# Altium PCB STB_LightBoard.PcbDoc (part 4 of 31)
Units mm, origin at the board's own origin, x right, y up, seen from the top; angles counter-clockwise.
Board outline 348 x 348 mm, 2 copper layers (Top Layer, Bottom Layer), stack 1.672 mm thick; 3807 components, 3391 nets, 11616 pads, 2553 vias.
Unrouted connection lines stored in the file: 68.
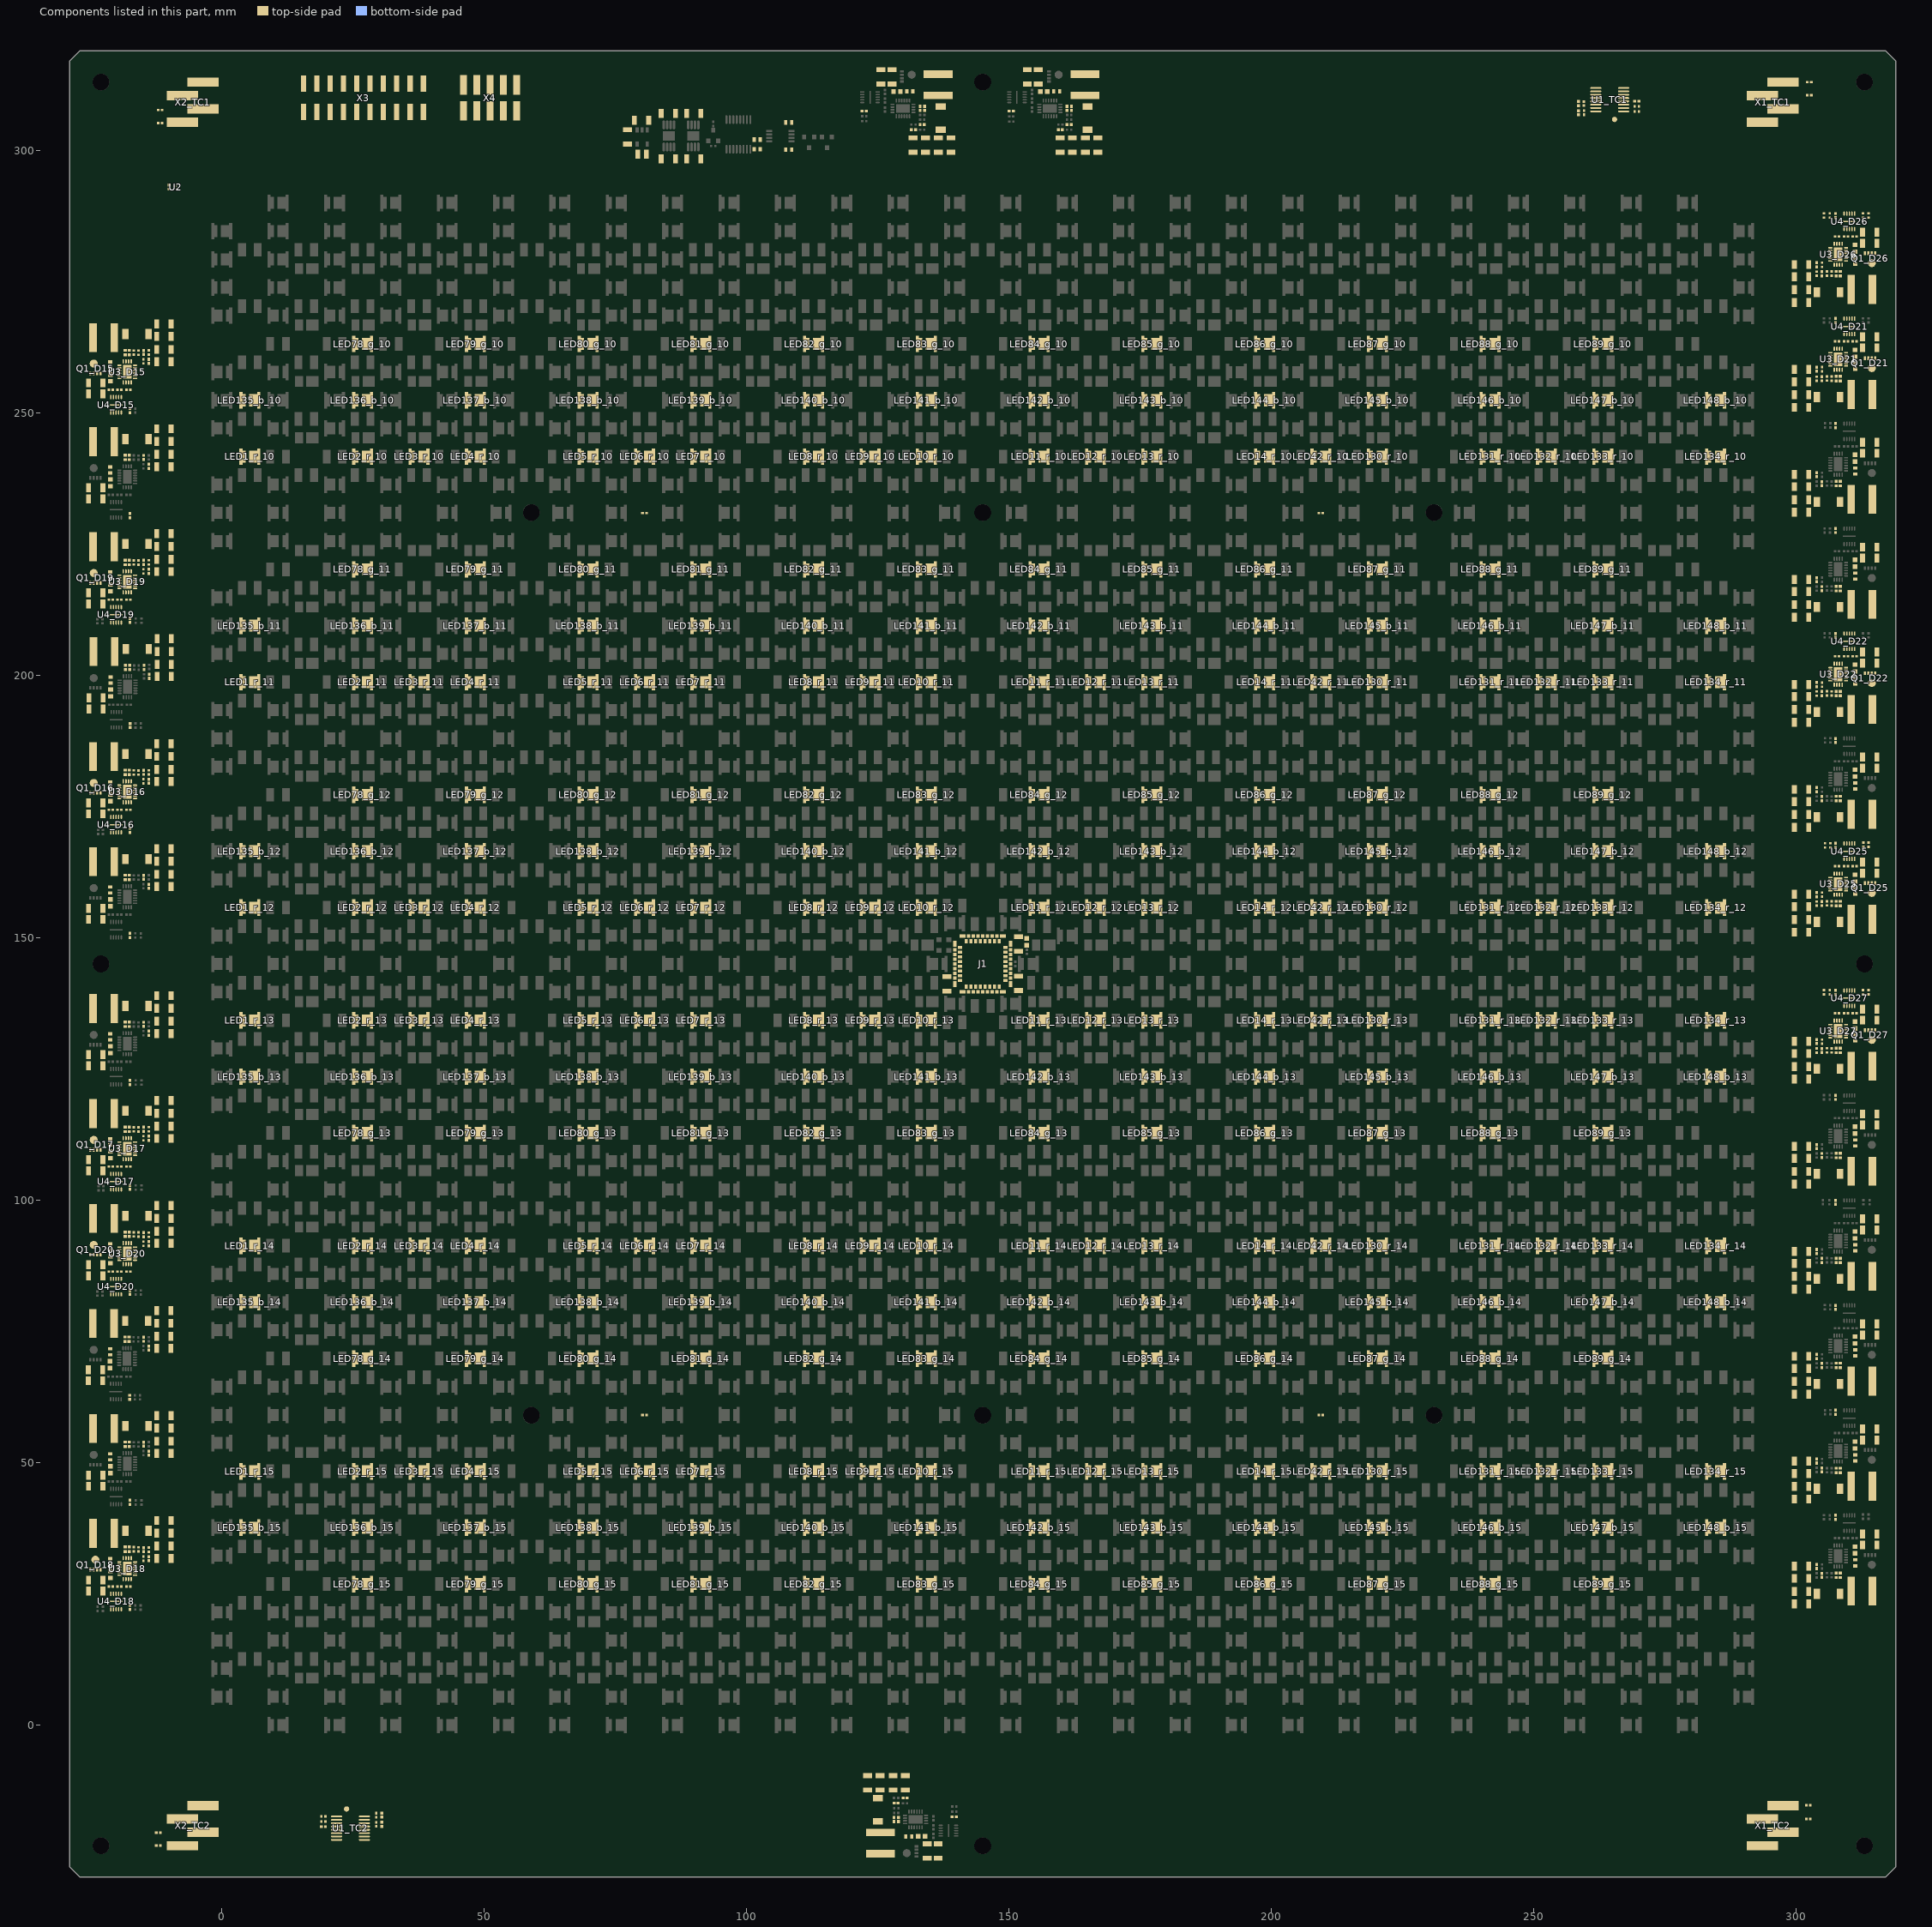
[diagram p4: the components of this part, seen from the top]

## Classes and differential pairs (continued)
component class D22: C5_D22 C6_D22 C7_D22 C8_D22 C9_D22 C10_D22 C11_D22 C12_D22 C13_D22 C14_D22 C15_D22 C16_D22 C17_D22 D1_D22 L1_D22 Q1_D22 R54_D22 R55_D22 R56_D22 R57_D22 R58_D22 R59_D22 R60_D22 U3_D22 U4_D22
component class D21: C5_D21 C6_D21 C7_D21 C8_D21 C9_D21 C10_D21 C11_D21 C12_D21 C13_D21 C14_D21 C15_D21 C16_D21 C17_D21 D1_D21 L1_D21 Q1_D21 R54_D21 R55_D21 R56_D21 R57_D21 R58_D21 R59_D21 R60_D21 U3_D21 U4_D21
component class D20: C5_D20 C6_D20 C7_D20 C8_D20 C9_D20 C10_D20 C11_D20 C12_D20 C13_D20 C14_D20 C15_D20 C16_D20 C17_D20 D1_D20 L1_D20 Q1_D20 R54_D20 R55_D20 R56_D20 R57_D20 R58_D20 R59_D20 R60_D20 U3_D20 U4_D20
component class D19: C5_D19 C6_D19 C7_D19 C8_D19 C9_D19 C10_D19 C11_D19 C12_D19 C13_D19 C14_D19 C15_D19 C16_D19 C17_D19 D1_D19 L1_D19 Q1_D19 R54_D19 R55_D19 R56_D19 R57_D19 R58_D19 R59_D19 R60_D19 U3_D19 U4_D19
component class D18: C5_D18 C6_D18 C7_D18 C8_D18 C9_D18 C10_D18 C11_D18 C12_D18 C13_D18 C14_D18 C15_D18 C16_D18 C17_D18 D1_D18 L1_D18 Q1_D18 R54_D18 R55_D18 R56_D18 R57_D18 R58_D18 R59_D18 R60_D18 U3_D18 U4_D18
component class D17: C5_D17 C6_D17 C7_D17 C8_D17 C9_D17 C10_D17 C11_D17 C12_D17 C13_D17 C14_D17 C15_D17 C16_D17 C17_D17 D1_D17 L1_D17 Q1_D17 R54_D17 R55_D17 R56_D17 R57_D17 R58_D17 R59_D17 R60_D17 U3_D17 U4_D17
component class D16: C5_D16 C6_D16 C7_D16 C8_D16 C9_D16 C10_D16 C11_D16 C12_D16 C13_D16 C14_D16 C15_D16 C16_D16 C17_D16 D1_D16 L1_D16 Q1_D16 R54_D16 R55_D16 R56_D16 R57_D16 R58_D16 R59_D16 R60_D16 U3_D16 U4_D16
component class D15: C5_D15 C6_D15 C7_D15 C8_D15 C9_D15 C10_D15 C11_D15 C12_D15 C13_D15 C14_D15 C15_D15 C16_D15 C17_D15 D1_D15 L1_D15 Q1_D15 R54_D15 R55_D15 R56_D15 R57_D15 R58_D15 R59_D15 R60_D15 U3_D15 U4_D15
channel class STB_Driver_ISL78171: D0 D1 D2 D3 D4 D5 D6 D7 D8 D9 D10 D11 D12 D13 D14 D15 D16 D17 D18 D19 D20 D21 D22 D23 D24 D25 D26 D27
channel class LED_String_NE2G757GT: g_10 g_11 g_12 g_13 g_14 g_15
channel class LED_String_NE2B757GT: b_10 b_11 b_12 b_13 b_14 b_15
component class LG: R85 R86 R87 R88
component class LB: R40 R41 R42 R43
component class g_15: LED78_g_15 LED79_g_15 LED80_g_15 LED81_g_15 LED82_g_15 LED83_g_15 LED84_g_15 LED85_g_15 LED86_g_15 LED87_g_15 LED88_g_15 LED89_g_15
component class g_14: LED78_g_14 LED79_g_14 LED80_g_14 LED81_g_14 LED82_g_14 LED83_g_14 LED84_g_14 LED85_g_14 LED86_g_14 LED87_g_14 LED88_g_14 LED89_g_14
component class g_13: LED78_g_13 LED79_g_13 LED80_g_13 LED81_g_13 LED82_g_13 LED83_g_13 LED84_g_13 LED85_g_13 LED86_g_13 LED87_g_13 LED88_g_13 LED89_g_13
component class g_12: LED78_g_12 LED79_g_12 LED80_g_12 LED81_g_12 LED82_g_12 LED83_g_12 LED84_g_12 LED85_g_12 LED86_g_12 LED87_g_12 LED88_g_12 LED89_g_12
component class g_11: LED78_g_11 LED79_g_11 LED80_g_11 LED81_g_11 LED82_g_11 LED83_g_11 LED84_g_11 LED85_g_11 LED86_g_11 LED87_g_11 LED88_g_11 LED89_g_11
component class g_10: LED78_g_10 LED79_g_10 LED80_g_10 LED81_g_10 LED82_g_10 LED83_g_10 LED84_g_10 LED85_g_10 LED86_g_10 LED87_g_10 LED88_g_10 LED89_g_10
component class D27: C5_D27 C6_D27 C7_D27 C8_D27 C9_D27 C10_D27 C11_D27 C12_D27 C13_D27 C14_D27 C15_D27 C16_D27 C17_D27 D1_D27 L1_D27 Q1_D27 R54_D27 R55_D27 R56_D27 R57_D27 R58_D27 R59_D27 R60_D27 U3_D27 U4_D27
component class D26: C5_D26 C6_D26 C7_D26 C8_D26 C9_D26 C10_D26 C11_D26 C12_D26 C13_D26 C14_D26 C15_D26 C16_D26 C17_D26 D1_D26 L1_D26 Q1_D26 R54_D26 R55_D26 R56_D26 R57_D26 R58_D26 R59_D26 R60_D26 U3_D26 U4_D26
component class b_15: LED135_b_15 LED136_b_15 LED137_b_15 LED138_b_15 LED139_b_15 LED140_b_15 LED141_b_15 LED142_b_15 LED143_b_15 LED144_b_15 LED145_b_15 LED146_b_15 LED147_b_15 LED148_b_15
component class b_14: LED135_b_14 LED136_b_14 LED137_b_14 LED138_b_14 LED139_b_14 LED140_b_14 LED141_b_14 LED142_b_14 LED143_b_14 LED144_b_14 LED145_b_14 LED146_b_14 LED147_b_14 LED148_b_14
component class b_13: LED135_b_13 LED136_b_13 LED137_b_13 LED138_b_13 LED139_b_13 LED140_b_13 LED141_b_13 LED142_b_13 LED143_b_13 LED144_b_13 LED145_b_13 LED146_b_13 LED147_b_13 LED148_b_13
component class b_12: LED135_b_12 LED136_b_12 LED137_b_12 LED138_b_12 LED139_b_12 LED140_b_12 LED141_b_12 LED142_b_12 LED143_b_12 LED144_b_12 LED145_b_12 LED146_b_12 LED147_b_12 LED148_b_12
component class b_11: LED135_b_11 LED136_b_11 LED137_b_11 LED138_b_11 LED139_b_11 LED140_b_11 LED141_b_11 LED142_b_11 LED143_b_11 LED144_b_11 LED145_b_11 LED146_b_11 LED147_b_11 LED148_b_11
component class b_10: LED135_b_10 LED136_b_10 LED137_b_10 LED138_b_10 LED139_b_10 LED140_b_10 LED141_b_10 LED142_b_10 LED143_b_10 LED144_b_10 LED145_b_10 LED146_b_10 LED147_b_10 LED148_b_10
channel class STB_FanControl: TC1 TC2
channel class LED_String_NE2R757GT-P6: r_10 r_11 r_12 r_13 r_14 r_15
component class TC2: C1_TC2 C2_TC2 C3_TC2 R44_TC2 R45_TC2 R46_TC2 R47_TC2 R48_TC2 R49_TC2 R50_TC2 R51_TC2 R52_TC2 R53_TC2 U1_TC2 X1_TC2 X2_TC2
component class TC1: C1_TC1 C2_TC1 C3_TC1 R44_TC1 R45_TC1 R46_TC1 R47_TC1 R48_TC1 R49_TC1 R50_TC1 R51_TC1 R52_TC1 R53_TC1 U1_TC1 X1_TC1 X2_TC1
component class STB_LightBoard: A1 TP1 TP2 X3 X4
component class r_15: LED1_r_15 LED2_r_15 LED3_r_15 LED4_r_15 LED5_r_15 LED6_r_15 LED7_r_15 LED8_r_15 LED9_r_15 LED10_r_15 LED11_r_15 LED12_r_15 LED13_r_15 LED14_r_15 LED42_r_15 LED130_r_15 LED131_r_15 LED132_r_15 LED133_r_15 LED134_r_15
component class r_14: LED1_r_14 LED2_r_14 LED3_r_14 LED4_r_14 LED5_r_14 LED6_r_14 LED7_r_14 LED8_r_14 LED9_r_14 LED10_r_14 LED11_r_14 LED12_r_14 LED13_r_14 LED14_r_14 LED42_r_14 LED130_r_14 LED131_r_14 LED132_r_14 LED133_r_14 LED134_r_14
component class r_13: LED1_r_13 LED2_r_13 LED3_r_13 LED4_r_13 LED5_r_13 LED6_r_13 LED7_r_13 LED8_r_13 LED9_r_13 LED10_r_13 LED11_r_13 LED12_r_13 LED13_r_13 LED14_r_13 LED42_r_13 LED130_r_13 LED131_r_13 LED132_r_13 LED133_r_13 LED134_r_13
component class r_12: LED1_r_12 LED2_r_12 LED3_r_12 LED4_r_12 LED5_r_12 LED6_r_12 LED7_r_12 LED8_r_12 LED9_r_12 LED10_r_12 LED11_r_12 LED12_r_12 LED13_r_12 LED14_r_12 LED42_r_12 LED130_r_12 LED131_r_12 LED132_r_12 LED133_r_12 LED134_r_12
component class r_11: LED1_r_11 LED2_r_11 LED3_r_11 LED4_r_11 LED5_r_11 LED6_r_11 LED7_r_11 LED8_r_11 LED9_r_11 LED10_r_11 LED11_r_11 LED12_r_11 LED13_r_11 LED14_r_11 LED42_r_11 LED130_r_11 LED131_r_11 LED132_r_11 LED133_r_11 LED134_r_11
component class r_10: LED1_r_10 LED2_r_10 LED3_r_10 LED4_r_10 LED5_r_10 LED6_r_10 LED7_r_10 LED8_r_10 LED9_r_10 LED10_r_10 LED11_r_10 LED12_r_10 LED13_r_10 LED14_r_10 LED42_r_10 LED130_r_10 LED131_r_10 LED132_r_10 LED133_r_10 LED134_r_10
component class LR: R89 R90 R91 R92
component class D25: C5_D25 C6_D25 C7_D25 C8_D25 C9_D25 C10_D25 C11_D25 C12_D25 C13_D25 C14_D25 C15_D25 C16_D25 C17_D25 D1_D25 L1_D25 Q1_D25 R54_D25 R55_D25 R56_D25 R57_D25 R58_D25 R59_D25 R60_D25 U3_D25 U4_D25
component class UID: C4 U2

## Components (designator, comment, footprint, x,y, rotation, side; value= is the part's Value field where it differs from the comment)
A1 "Logo ETH Zurich" eth-zurich_5mm 151,-25 r0 top
C1_TC1 "100nF" CAPC1050X55X23LL05T13 269.633,309.352 r180 top (schematic designator C1)
C1_TC2 "100nF" CAPC1050X55X23LL05T13 19.367,-19.352 r0 top (schematic designator C1)
C2_TC1 "100pF" CAPC1005X56X25LL10T15 258.5,308.908 r90 top (schematic designator C2)
C2_TC2 "100pF" CAPC1005X56X25LL10T15 30.5,-18.908 r270 top (schematic designator C2)
C3_TC1 "100pF" CAPC1005X56X25LL10T15 258.51,307.165 r90 top (schematic designator C3)
C3_TC2 "100pF" CAPC1005X56X25LL10T15 30.49,-17.165 r270 top (schematic designator C3)
C4 "100nF" CAPC1050X55X23LL05T13 -10.002,293.012 r270 top
C5_D0 "10uF/50V" FP-CL31B106KBHNNNE-MFG -24,233.6 r0 top value=10uF (schematic designator C5)
C5_D1 "10uF/50V" FP-CL31B106KBHNNNE-MFG -24,153.5 r0 top value=10uF (schematic designator C5)
C5_D2 "10uF/50V" FP-CL31B106KBHNNNE-MFG -24,125.6 r0 top value=10uF (schematic designator C5)
C5_D3 "10uF/50V" FP-CL31B106KBHNNNE-MFG -24,45.5 r0 top value=10uF (schematic designator C5)
C5_D4 "10uF/50V" FP-CL31B106KBHNNNE-MFG 314,244.4 r180 top value=10uF (schematic designator C5)
C5_D5 "10uF/50V" FP-CL31B106KBHNNNE-MFG 314,184.4 r180 top value=10uF (schematic designator C5)
C5_D6 "10uF/50V" FP-CL31B106KBHNNNE-MFG 314,116.4 r180 top value=10uF (schematic designator C5)
C5_D7 "10uF/50V" FP-CL31B106KBHNNNE-MFG 314,56.4 r180 top value=10uF (schematic designator C5)
C5_D8 "10uF/50V" FP-CL31B106KBHNNNE-MFG 153.5,314 r270 top value=10uF (schematic designator C5)
C5_D9 "10uF/50V" FP-CL31B106KBHNNNE-MFG 136.5,-24 r90 top value=10uF (schematic designator C5)
C5_D10 "10uF/50V" FP-CL31B106KBHNNNE-MFG -23.942,193.6 r0 top value=10uF (schematic designator C5)
C5_D11 "10uF/50V" FP-CL31B106KBHNNNE-MFG -24.042,65.6 r0 top value=10uF (schematic designator C5)
C5_D12 "10uF/50V" FP-CL31B106KBHNNNE-MFG 314,224.4 r180 top value=10uF (schematic designator C5)
C5_D13 "10uF/50V" FP-CL31B106KBHNNNE-MFG 314,76.4 r180 top value=10uF (schematic designator C5)
C5_D14 "10uF/50V" FP-CL31B106KBHNNNE-MFG 125.6,314 r270 top value=10uF (schematic designator C5)
C5_D15 "10uF/50V" FP-CL31B106KBHNNNE-MFG -24,253.6 r0 top value=10uF (schematic designator C5)
C5_D16 "10uF/50V" FP-CL31B106KBHNNNE-MFG -24,173.6 r0 top value=10uF (schematic designator C5)
C5_D17 "10uF/50V" FP-CL31B106KBHNNNE-MFG -24,105.6 r0 top value=10uF (schematic designator C5)
C5_D18 "10uF/50V" FP-CL31B106KBHNNNE-MFG -24,25.5 r0 top value=10uF (schematic designator C5)
C5_D19 "10uF/50V" FP-CL31B106KBHNNNE-MFG -24,213.6 r0 top value=10uF (schematic designator C5)
C5_D20 "10uF/50V" FP-CL31B106KBHNNNE-MFG -24,85.6 r0 top value=10uF (schematic designator C5)
C5_D21 "10uF/50V" FP-CL31B106KBHNNNE-MFG 314,264.5 r180 top value=10uF (schematic designator C5)
C5_D22 "10uF/50V" FP-CL31B106KBHNNNE-MFG 314,204.4 r180 top value=10uF (schematic designator C5)
C5_D23 "10uF/50V" FP-CL31B106KBHNNNE-MFG 314,96.4 r180 top value=10uF (schematic designator C5)
C5_D24 "10uF/50V" FP-CL31B106KBHNNNE-MFG 314,36.4 r180 top value=10uF (schematic designator C5)
C5_D25 "10uF/50V" FP-CL31B106KBHNNNE-MFG 314,164.4 r180 top value=10uF (schematic designator C5)
C5_D26 "10uF/50V" FP-CL31B106KBHNNNE-MFG 314,284.4 r180 top value=10uF (schematic designator C5)
C5_D27 "10uF/50V" FP-CL31B106KBHNNNE-MFG 314,136.4 r180 top value=10uF (schematic designator C5)
C6_D0 "10uF/50V" FP-CL31B106KBHNNNE-MFG -24,235.7 r0 top value=10uF (schematic designator C6)
C6_D1 "10uF/50V" FP-CL31B106KBHNNNE-MFG -24,155.6 r0 top value=10uF (schematic designator C6)
C6_D2 "10uF/50V" FP-CL31B106KBHNNNE-MFG -24,127.7 r0 top value=10uF (schematic designator C6)
C6_D3 "10uF/50V" FP-CL31B106KBHNNNE-MFG -24,47.6 r0 top value=10uF (schematic designator C6)
C6_D4 "10uF/50V" FP-CL31B106KBHNNNE-MFG 314,242.3 r180 top value=10uF (schematic designator C6)
C6_D5 "10uF/50V" FP-CL31B106KBHNNNE-MFG 314,182.3 r180 top value=10uF (schematic designator C6)
C6_D6 "10uF/50V" FP-CL31B106KBHNNNE-MFG 314,114.3 r180 top value=10uF (schematic designator C6)
C6_D7 "10uF/50V" FP-CL31B106KBHNNNE-MFG 314,54.3 r180 top value=10uF (schematic designator C6)
C6_D8 "10uF/50V" FP-CL31B106KBHNNNE-MFG 155.6,314 r270 top value=10uF (schematic designator C6)
C6_D9 "10uF/50V" FP-CL31B106KBHNNNE-MFG 134.4,-24 r90 top value=10uF (schematic designator C6)
C6_D10 "10uF/50V" FP-CL31B106KBHNNNE-MFG -23.942,195.7 r0 top value=10uF (schematic designator C6)
C6_D11 "10uF/50V" FP-CL31B106KBHNNNE-MFG -24.042,67.7 r0 top value=10uF (schematic designator C6)
C6_D12 "10uF/50V" FP-CL31B106KBHNNNE-MFG 314,222.3 r180 top value=10uF (schematic designator C6)
C6_D13 "10uF/50V" FP-CL31B106KBHNNNE-MFG 314,74.3 r180 top value=10uF (schematic designator C6)
C6_D14 "10uF/50V" FP-CL31B106KBHNNNE-MFG 127.7,314 r270 top value=10uF (schematic designator C6)
C6_D15 "10uF/50V" FP-CL31B106KBHNNNE-MFG -24,255.7 r0 top value=10uF (schematic designator C6)
C6_D16 "10uF/50V" FP-CL31B106KBHNNNE-MFG -24,175.7 r0 top value=10uF (schematic designator C6)
C6_D17 "10uF/50V" FP-CL31B106KBHNNNE-MFG -24,107.7 r0 top value=10uF (schematic designator C6)
C6_D18 "10uF/50V" FP-CL31B106KBHNNNE-MFG -24,27.6 r0 top value=10uF (schematic designator C6)
C6_D19 "10uF/50V" FP-CL31B106KBHNNNE-MFG -24,215.7 r0 top value=10uF (schematic designator C6)
C6_D20 "10uF/50V" FP-CL31B106KBHNNNE-MFG -24,87.7 r0 top value=10uF (schematic designator C6)
C6_D21 "10uF/50V" FP-CL31B106KBHNNNE-MFG 314,262.4 r180 top value=10uF (schematic designator C6)
C6_D22 "10uF/50V" FP-CL31B106KBHNNNE-MFG 314,202.3 r180 top value=10uF (schematic designator C6)
C6_D23 "10uF/50V" FP-CL31B106KBHNNNE-MFG 314,94.3 r180 top value=10uF (schematic designator C6)
C6_D24 "10uF/50V" FP-CL31B106KBHNNNE-MFG 314,34.3 r180 top value=10uF (schematic designator C6)
C6_D25 "10uF/50V" FP-CL31B106KBHNNNE-MFG 314,162.3 r180 top value=10uF (schematic designator C6)
C6_D26 "10uF/50V" FP-CL31B106KBHNNNE-MFG 314,282.3 r180 top value=10uF (schematic designator C6)
C6_D27 "10uF/50V" FP-CL31B106KBHNNNE-MFG 314,134.3 r180 top value=10uF (schematic designator C6)
C7_D0 "30pF" CAPC1005X56X25LL10T15 -13.9,239.8 r270 top value="30 pF" (schematic designator C7)
C7_D1 "30pF" CAPC1005X56X25LL10T15 -13.9,159.8 r270 top value="30 pF" (schematic designator C7)
C7_D2 "30pF" CAPC1005X56X25LL10T15 -13.9,131.8 r270 top value="30 pF" (schematic designator C7)
C7_D3 "30pF" CAPC1005X56X25LL10T15 -13.9,51.79 r270 top value="30 pF" (schematic designator C7)
C7_D4 "30pF" CAPC1005X56X25LL10T15 303.9,238.2 r90 top value="30 pF" (schematic designator C7)
C7_D5 "30pF" CAPC1005X56X25LL10T15 303.9,178.2 r90 top value="30 pF" (schematic designator C7)
C7_D6 "30pF" CAPC1005X56X25LL10T15 303.9,110.2 r90 top value="30 pF" (schematic designator C7)
C7_D7 "30pF" CAPC1005X56X25LL10T15 303.9,50.3 r90 top value="30 pF" (schematic designator C7)
C7_D8 "30pF" CAPC1005X56X25LL10T15 159.79,303.925 r180 top value="30 pF" (schematic designator C7)
C7_D9 "30pF" CAPC1005X56X25LL10T15 130.2,-13.9 r0 top value="30 pF" (schematic designator C7)
C7_D10 "30pF" CAPC1005X56X25LL10T15 -13.8,199.8 r270 top value="30 pF" (schematic designator C7)
C7_D11 "30pF" CAPC1005X56X25LL10T15 -13.9,71.8 r270 top value="30 pF" (schematic designator C7)
C7_D12 "30pF" CAPC1005X56X25LL10T15 303.9,218.2 r90 top value="30 pF" (schematic designator C7)
C7_D13 "30pF" CAPC1005X56X25LL10T15 303.9,70.2 r90 top value="30 pF" (schematic designator C7)
C7_D14 "30pF" CAPC1005X56X25LL10T15 131.79,303.925 r180 top value="30 pF" (schematic designator C7)
C7_D15 "30pF" CAPC1005X56X25LL10T15 -13.9,259.8 r270 top value="30 pF" (schematic designator C7)
C7_D16 "30pF" CAPC1005X56X25LL10T15 -13.9,179.8 r270 top value="30 pF" (schematic designator C7)
C7_D17 "30pF" CAPC1005X56X25LL10T15 -13.9,111.8 r270 top value="30 pF" (schematic designator C7)
C7_D18 "30pF" CAPC1005X56X25LL10T15 -13.9,31.7 r270 top value="30 pF" (schematic designator C7)
C7_D19 "30pF" CAPC1005X56X25LL10T15 -13.9,219.8 r270 top value="30 pF" (schematic designator C7)
C7_D20 "30pF" CAPC1005X56X25LL10T15 -13.9,91.7 r270 top value="30 pF" (schematic designator C7)
C7_D21 "30pF" CAPC1005X56X25LL10T15 303.9,258.3 r90 top value="30 pF" (schematic designator C7)
C7_D22 "30pF" CAPC1005X56X25LL10T15 303.9,198.21 r90 top value="30 pF" (schematic designator C7)
C7_D23 "30pF" CAPC1005X56X25LL10T15 303.9,90.2 r90 top value="30 pF" (schematic designator C7)
C7_D24 "30pF" CAPC1005X56X25LL10T15 303.9,30.2 r90 top value="30 pF" (schematic designator C7)
C7_D25 "30pF" CAPC1005X56X25LL10T15 303.9,158.2 r90 top value="30 pF" (schematic designator C7)
C7_D26 "30pF" CAPC1005X56X25LL10T15 303.9,278.2 r90 top value="30 pF" (schematic designator C7)
C7_D27 "30pF" CAPC1005X56X25LL10T15 303.9,130.2 r90 top value="30 pF" (schematic designator C7)
C8_D0 "10uF/50V" FP-CL31B106KBHNNNE-MFG -11.002,239.753 r0 top value=10uF (schematic designator C8)
C8_D1 "10uF/50V" FP-CL31B106KBHNNNE-MFG -11.002,159.753 r0 top value=10uF (schematic designator C8)
C8_D2 "10uF/50V" FP-CL31B106KBHNNNE-MFG -11.002,131.753 r0 top value=10uF (schematic designator C8)
C8_D3 "10uF/50V" FP-CL31B106KBHNNNE-MFG -11.002,51.753 r0 top value=10uF (schematic designator C8)
C8_D4 "10uF/50V" FP-CL31B106KBHNNNE-MFG 301.002,238.247 r180 top value=10uF (schematic designator C8)
C8_D5 "10uF/50V" FP-CL31B106KBHNNNE-MFG 301.002,178.247 r180 top value=10uF (schematic designator C8)
C8_D6 "10uF/50V" FP-CL31B106KBHNNNE-MFG 301.002,110.247 r180 top value=10uF (schematic designator C8)
C8_D7 "10uF/50V" FP-CL31B106KBHNNNE-MFG 301.002,50.247 r180 top value=10uF (schematic designator C8)
C8_D8 "10uF/50V" FP-CL31B106KBHNNNE-MFG 159.753,301.002 r270 top value=10uF (schematic designator C8)
C8_D9 "10uF/50V" FP-CL31B106KBHNNNE-MFG 130.247,-11.002 r90 top value=10uF (schematic designator C8)
C8_D10 "10uF/50V" FP-CL31B106KBHNNNE-MFG -10.944,199.753 r0 top value=10uF (schematic designator C8)
C8_D11 "10uF/50V" FP-CL31B106KBHNNNE-MFG -11.044,71.753 r0 top value=10uF (schematic designator C8)
C8_D12 "10uF/50V" FP-CL31B106KBHNNNE-MFG 301.002,218.247 r180 top value=10uF (schematic designator C8)
C8_D13 "10uF/50V" FP-CL31B106KBHNNNE-MFG 301.002,70.247 r180 top value=10uF (schematic designator C8)
C8_D14 "10uF/50V" FP-CL31B106KBHNNNE-MFG 131.753,301.002 r270 top value=10uF (schematic designator C8)
C8_D15 "10uF/50V" FP-CL31B106KBHNNNE-MFG -11.002,259.753 r0 top value=10uF (schematic designator C8)
C8_D16 "10uF/50V" FP-CL31B106KBHNNNE-MFG -11.002,179.753 r0 top value=10uF (schematic designator C8)
C8_D17 "10uF/50V" FP-CL31B106KBHNNNE-MFG -11.002,111.753 r0 top value=10uF (schematic designator C8)
C8_D18 "10uF/50V" FP-CL31B106KBHNNNE-MFG -11.002,31.753 r0 top value=10uF (schematic designator C8)
C8_D19 "10uF/50V" FP-CL31B106KBHNNNE-MFG -11.002,219.753 r0 top value=10uF (schematic designator C8)
C8_D20 "10uF/50V" FP-CL31B106KBHNNNE-MFG -11.002,91.753 r0 top value=10uF (schematic designator C8)
C8_D21 "10uF/50V" FP-CL31B106KBHNNNE-MFG 301.002,258.247 r180 top value=10uF (schematic designator C8)
C8_D22 "10uF/50V" FP-CL31B106KBHNNNE-MFG 301.002,198.247 r180 top value=10uF (schematic designator C8)
C8_D23 "10uF/50V" FP-CL31B106KBHNNNE-MFG 301.002,90.247 r180 top value=10uF (schematic designator C8)
C8_D24 "10uF/50V" FP-CL31B106KBHNNNE-MFG 301.002,30.247 r180 top value=10uF (schematic designator C8)
C8_D25 "10uF/50V" FP-CL31B106KBHNNNE-MFG 301.002,158.247 r180 top value=10uF (schematic designator C8)
C8_D26 "10uF/50V" FP-CL31B106KBHNNNE-MFG 301.002,278.247 r180 top value=10uF (schematic designator C8)
C8_D27 "10uF/50V" FP-CL31B106KBHNNNE-MFG 301.002,130.247 r180 top value=10uF (schematic designator C8)
C9_D0 "10uF/50V" FP-CL31B106KBHNNNE-MFG -11.002,242.071 r0 top value=10uF (schematic designator C9)
C9_D1 "10uF/50V" FP-CL31B106KBHNNNE-MFG -11.002,162.071 r0 top value=10uF (schematic designator C9)
C9_D2 "10uF/50V" FP-CL31B106KBHNNNE-MFG -11.002,134.071 r0 top value=10uF (schematic designator C9)
C9_D3 "10uF/50V" FP-CL31B106KBHNNNE-MFG -11.002,54.071 r0 top value=10uF (schematic designator C9)
C9_D4 "10uF/50V" FP-CL31B106KBHNNNE-MFG 301.002,235.929 r180 top value=10uF (schematic designator C9)
C9_D5 "10uF/50V" FP-CL31B106KBHNNNE-MFG 301.002,175.929 r180 top value=10uF (schematic designator C9)
C9_D6 "10uF/50V" FP-CL31B106KBHNNNE-MFG 301.002,107.929 r180 top value=10uF (schematic designator C9)
C9_D7 "10uF/50V" FP-CL31B106KBHNNNE-MFG 301.002,47.929 r180 top value=10uF (schematic designator C9)
C9_D8 "10uF/50V" FP-CL31B106KBHNNNE-MFG 162.071,301.002 r270 top value=10uF (schematic designator C9)
C9_D9 "10uF/50V" FP-CL31B106KBHNNNE-MFG 127.929,-11.002 r90 top value=10uF (schematic designator C9)
C9_D10 "10uF/50V" FP-CL31B106KBHNNNE-MFG -10.944,202.071 r0 top value=10uF (schematic designator C9)
C9_D11 "10uF/50V" FP-CL31B106KBHNNNE-MFG -11.044,74.071 r0 top value=10uF (schematic designator C9)
C9_D12 "10uF/50V" FP-CL31B106KBHNNNE-MFG 301.002,215.929 r180 top value=10uF (schematic designator C9)
C9_D13 "10uF/50V" FP-CL31B106KBHNNNE-MFG 301.002,67.929 r180 top value=10uF (schematic designator C9)
C9_D14 "10uF/50V" FP-CL31B106KBHNNNE-MFG 134.071,301.002 r270 top value=10uF (schematic designator C9)
C9_D15 "10uF/50V" FP-CL31B106KBHNNNE-MFG -11.002,262.071 r0 top value=10uF (schematic designator C9)
C9_D16 "10uF/50V" FP-CL31B106KBHNNNE-MFG -11.002,182.071 r0 top value=10uF (schematic designator C9)
C9_D17 "10uF/50V" FP-CL31B106KBHNNNE-MFG -11.002,114.071 r0 top value=10uF (schematic designator C9)
C9_D18 "10uF/50V" FP-CL31B106KBHNNNE-MFG -11.002,34.071 r0 top value=10uF (schematic designator C9)
C9_D19 "10uF/50V" FP-CL31B106KBHNNNE-MFG -11.002,222.071 r0 top value=10uF (schematic designator C9)
C9_D20 "10uF/50V" FP-CL31B106KBHNNNE-MFG -11.002,94.071 r0 top value=10uF (schematic designator C9)